# Altium PCB Minion_Rev2.PcbDoc (part 6 of 11) (continued)
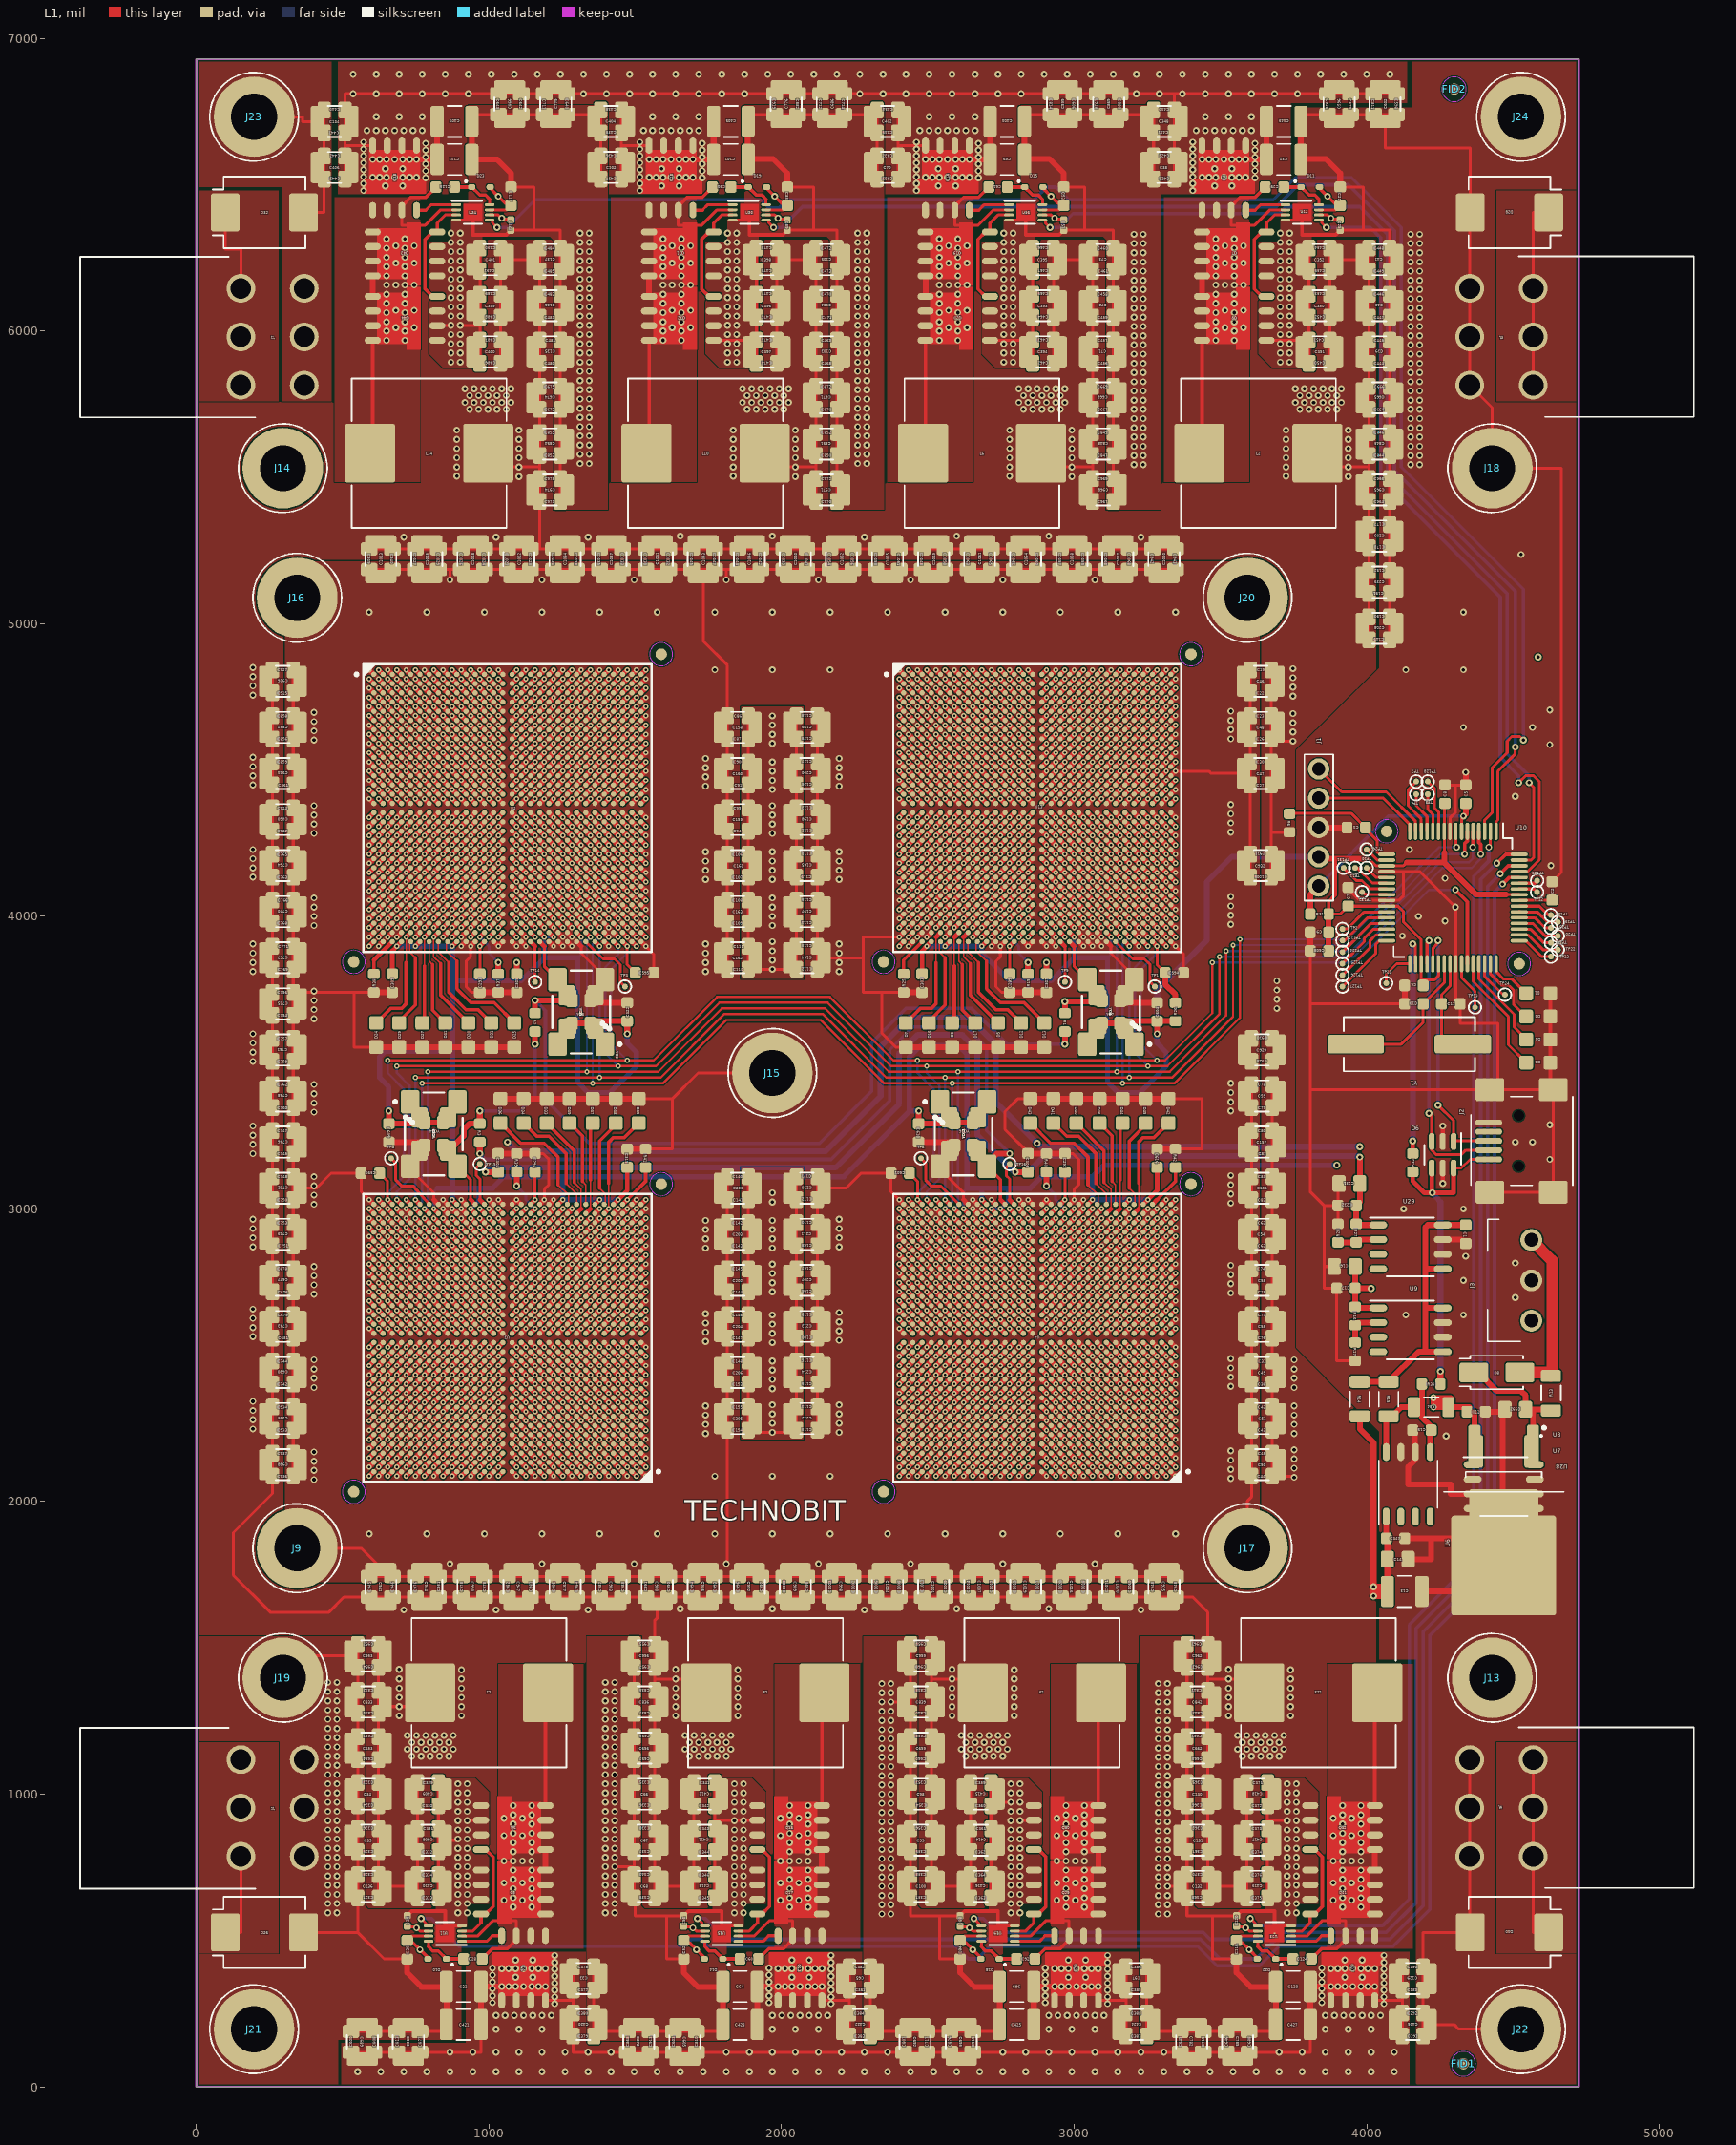
[diagram p0: L1 view]
## Nets (pads, with @x,y where several pads share a name; then routed paths per layer and width w, separated by ;. In a path a pad name is that pad's centre, name@x,y a point inside that pad or via, vN(x,y) a via of type N, cw(c..) or ccw(c..) an arc to the next point about the centre after c; other vN are vias at no path point) (continued)
; U13.J24@3141.73,4574.8 v1(3157.48,4590.55) ; U13.G24@3141.73,4637.8 v1(3157.48,4653.54) ; U13.E24@3141.73,4700.79 v1(3157.48,4716.54) ; U13.C24@3141.73,4763.78 v1(3157.48,4779.53) ; U13.A24@3141.73,4826.77 v1(3157.48,4842.52) ; U4.A6@3173.23,2102.36 v1(3188.98,2086.61) ; U4.C6@3173.23,2165.35 v1(3188.98,2149.61) ; U4.E6@3173.23,2228.35 v1(3188.98,2212.6) ; U4.G6@3173.23,2291.34 v1(3188.98,2275.59) ; U4.J6@3173.23,2354.33 v1(3188.98,2338.58) ; U4.L6@3173.23,2417.32 v1(3188.98,2401.57) ; U4.N6@3173.23,2480.31 v1(3188.98,2464.57) ; U4.R6@3173.23,2543.31 v1(3188.98,2527.56) ; U4.U6@3173.23,2606.3 v1(3188.98,2622.05) ; U4.W6@3173.23,2669.29 v1(3188.98,2685.04) ; U4.AA6@3173.23,2732.28 v1(3188.98,2748.03) ; U4.AC6@3173.23,2795.28 v1(3188.98,2811.02) ; U4.AE6@3173.23,2858.27 v1(3188.98,2874.02) ; U4.AG6@3173.23,2921.26 v1(3188.98,2937.01) ; U13.AH25@3173.23,3976.38 v1(3188.98,3960.63) ; U13.AF25@3173.23,4039.37 v1(3188.98,4023.62) ; U13.AD25@3173.23,4102.36 v1(3188.98,4086.61) ; U13.AB25@3173.23,4165.35 v1(3188.98,4149.61) ; U13.Y25@3173.23,4228.35 v1(3188.98,4212.6) ; U13.V25@3173.23,4291.34 v1(3188.98,4275.59) ; U13.T25@3173.23,4354.33 v1(3188.98,4338.58) ; U13.P25@3173.23,4417.32 v1(3188.98,4433.07) ; U13.M25@3173.23,4480.31 v1(3188.98,4496.06) ; U13.K25@3173.23,4543.31 v1(3188.98,4559.06) ; U13.H25@3173.23,4606.3 v1(3188.98,4622.05) ; U13.F25@3173.23,4669.29 v1(3188.98,4685.04) ; U13.D25@3173.23,4732.28 v1(3188.98,4748.03) ; U13.B25@3173.23,4795.28 v1(3188.98,4811.02) ; U4.B5@3204.72,2133.86 v1(3220.47,2118.11) ; U4.D5@3204.72,2196.85 v1(3220.47,2181.1) ; U4.F5@3204.72,2259.84 v1(3220.47,2244.09) ; U4.H5@3204.72,2322.83 v1(3220.47,2307.09) ; U4.K5@3204.72,2385.83 v1(3220.47,2370.08) ; U4.M5@3204.72,2448.82 v1(3220.47,2433.07) ; U4.P5@3204.72,2511.81 v1(3220.47,2496.06) ; U4.T5@3204.72,2574.8 v1(3220.47,2590.55) ; U4.V5@3204.72,2637.8 v1(3220.47,2653.54) ; U4.Y5@3204.72,2700.79 v1(3220.47,2716.54) ; U4.AB5@3204.72,2763.78 v1(3220.47,2779.53) ; U4.AD5@3204.72,2826.77 v1(3220.47,2842.52) ; U4.AF5@3204.72,2889.76 v1(3220.47,2905.51) ; U4.AH5@3204.72,2952.76 v1(3220.47,2968.5) ; U13.AK26@3204.72,3913.39 v1(3220.47,3897.64) ; U13.AG26@3204.72,4007.87 v1(3220.47,3992.13) ; U13.AE26@3204.72,4070.87 v1(3220.47,4055.12) ; U13.AC26@3204.72,4133.86 v1(3220.47,4118.11) ; U13.AA26@3204.72,4196.85 v1(3220.47,4181.1) ; U13.W26@3204.72,4259.84 v1(3220.47,4244.09) ; U13.U26@3204.72,4322.83 v1(3220.47,4307.09) ; U13.R26@3204.72,4385.83 v1(3220.47,4401.57) ; U13.N26@3204.72,4448.82 v1(3220.47,4464.57) ; U13.L26@3204.72,4511.81 v1(3220.47,4527.56) ; U13.J26@3204.72,4574.8 v1(3220.47,4590.55) ; U13.G26@3204.72,4637.8 v1(3220.47,4653.54) ; U13.E26@3204.72,4700.79 v1(3220.47,4716.54) ; U13.C26@3204.72,4763.78 v1(3220.47,4779.53) ; U13.A26@3204.72,4826.77 v1(3220.47,4842.52) ; U4.A4@3236.22,2102.36 v1(3251.97,2086.61) ; U4.C4@3236.22,2165.35 v1(3251.97,2149.61) ; U4.E4@3236.22,2228.35 v1(3251.97,2212.6) ; U4.G4@3236.22,2291.34 v1(3251.97,2275.59) ; U4.J4@3236.22,2354.33 v1(3251.97,2338.58) ; U4.L4@3236.22,2417.32 v1(3251.97,2401.57) ; U4.N4@3236.22,2480.31 v1(3251.97,2464.57) ; U4.R4@3236.22,2543.31 v1(3251.97,2527.56) ; U4.U4@3236.22,2606.3 v1(3251.97,2622.05) ; U4.W4@3236.22,2669.29 v1(3251.97,2685.04) ; U4.AA4@3236.22,2732.28 v1(3251.97,2748.03) ; U4.AC4@3236.22,2795.28 v1(3251.97,2811.02) ; U4.AE4@3236.22,2858.27 v1(3251.97,2874.02) ; U4.AG4@3236.22,2921.26 v1(3251.97,2937.01) ; U13.AH27@3236.22,3976.38 v1(3251.97,3960.63) ; U13.AF27@3236.22,4039.37 v1(3251.97,4023.62) ; U13.AD27@3236.22,4102.36 v1(3251.97,4086.61) ; U13.AB27@3236.22,4165.35 v1(3251.97,4149.61) ; U13.Y27@3236.22,4228.35 v1(3251.97,4212.6) ; U13.V27@3236.22,4291.34 v1(3251.97,4275.59) ; U13.T27@3236.22,4354.33 v1(3251.97,4338.58) ; U13.P27@3236.22,4417.32 v1(3251.97,4433.07) ; U13.M27@3236.22,4480.31 v1(3251.97,4496.06) ; U13.K27@3236.22,4543.31 v1(3251.97,4559.06) ; U13.H27@3236.22,4606.3 v1(3251.97,4622.05) ; U13.F27@3236.22,4669.29 v1(3251.97,4685.04) ; U13.D27@3236.22,4732.28 v1(3251.97,4748.03) ; U13.B27@3236.22,4795.28 v1(3251.97,4811.02) ; U4.B3@3267.72,2133.86 v1(3283.46,2118.11) ; U4.D3@3267.72,2196.85 v1(3283.46,2181.1) ; U4.F3@3267.72,2259.84 v1(3283.46,2244.09) ; U4.H3@3267.72,2322.83 v1(3283.46,2307.09) ; U4.K3@3267.72,2385.83 v1(3283.46,2370.08) ; U4.M3@3267.72,2448.82 v1(3283.46,2433.07) ; U4.P3@3267.72,2511.81 v1(3283.46,2496.06) ; U4.T3@3267.72,2574.8 v1(3283.46,2590.55) ; U4.V3@3267.72,2637.8 v1(3283.46,2653.54) ; U4.Y3@3267.72,2700.79 v1(3283.46,2716.54) ; U4.AB3@3267.72,2763.78 v1(3283.46,2779.53) ; U4.AD3@3267.72,2826.77 v1(3283.46,2842.52) ; U4.AF3@3267.72,2889.76 v1(3283.46,2905.51) ; U4.AH3@3267.72,2952.76 v1(3283.46,2968.5) ; U13.AJ28@3267.72,3944.88 v1(3283.46,3929.13) ; U13.AG28@3267.72,4007.87 v1(3283.46,3992.13) ; U13.AE28@3267.72,4070.87 v1(3283.46,4055.12) ; U13.AC28@3267.72,4133.86 v1(3283.46,4118.11) ; U13.AA28@3267.72,4196.85 v1(3283.46,4181.1) ; U13.W28@3267.72,4259.84 v1(3283.46,4244.09) ; U13.U28@3267.72,4322.83 v1(3283.46,4307.09) ; U13.R28@3267.72,4385.83 v1(3283.46,4401.57) ; U13.N28@3267.72,4448.82 v1(3283.46,4464.57) ; U13.L28@3267.72,4511.81 v1(3283.46,4527.56) ; U13.J28@3267.72,4574.8 v1(3283.46,4590.55) ; U13.G28@3267.72,4637.8 v1(3283.46,4653.54) ; U13.E28@3267.72,4700.79 v1(3283.46,4716.54) ; U13.C28@3267.72,4763.78 v1(3283.46,4779.53) ; U13.A28@3267.72,4826.77 v1(3283.46,4842.52) ; U4.A2@3299.21,2102.36 v1(3314.96,2086.61) ; U4.C2@3299.21,2165.35 v1(3314.96,2149.61) ; U4.E2@3299.21,2228.35 v1(3314.96,2212.6) ; U4.G2@3299.21,2291.34 v1(3314.96,2275.59) ; U4.J2@3299.21,2354.33 v1(3314.96,2338.58) ; U4.L2@3299.21,2417.32 v1(3314.96,2401.57) ; U4.N2@3299.21,2480.31 v1(3314.96,2464.57) ; U4.R2@3299.21,2543.31 v1(3314.96,2527.56) ; U4.U2@3299.21,2606.3 v1(3314.96,2622.05) ; U4.W2@3299.21,2669.29 v1(3314.96,2685.04) ; U4.AA2@3299.21,2732.28 v1(3314.96,2748.03) ; U4.AC2@3299.21,2795.28 v1(3314.96,2811.02) ; U4.AE2@3299.21,2858.27 v1(3314.96,2874.02) ; U4.AG2@3299.21,2921.26 v1(3314.96,2937.01) ; U4.AJ2@3299.21,2984.25 v1(3314.96,3000) ; U13.AK29@3299.21,3913.39 v1(3314.96,3897.64) ; U13.AH29@3299.21,3976.38 v1(3314.96,3960.63) ; U13.AF29@3299.21,4039.37 v1(3314.96,4023.62) ; U13.AD29@3299.21,4102.36 v1(3314.96,4086.61) ; U13.AB29@3299.21,4165.35 v1(3314.96,4149.61) ; U13.Y29@3299.21,4228.35 v1(3314.96,4212.6) ; U13.V29@3299.21,4291.34 v1(3314.96,4275.59) ; U13.T29@3299.21,4354.33 v1(3314.96,4338.58) ; U13.P29@3299.21,4417.32 v1(3314.96,4433.07) ; U13.M29@3299.21,4480.31 v1(3314.96,4496.06) ; U13.K29@3299.21,4543.31 v1(3314.96,4559.06) ; U13.H29@3299.21,4606.3 v1(3314.96,4622.05) ; U13.F29@3299.21,4669.29 v1(3314.96,4685.04) ; U13.D29@3299.21,4732.28 v1(3314.96,4748.03) ; U13.B29@3299.21,4795.28 v1(3314.96,4811.02) ; U4.B1@3330.71,2133.86 v1(3346.46,2118.11) ; U4.D1@3330.71,2196.85 v1(3346.46,2181.1) ; U4.F1@3330.71,2259.84 v1(3346.46,2244.09) ; U4.H1@3330.71,2322.83 v1(3346.46,2307.09) ; U4.K1@3330.71,2385.83 v1(3346.46,2370.08) ; U4.M1@3330.71,2448.82 v1(3346.46,2433.07) ; U4.P1@3330.71,2511.81 v1(3346.46,2496.06) ; U4.T1@3330.71,2574.8 v1(3346.46,2590.55) ; U4.V1@3330.71,2637.8 v1(3346.46,2653.54) ; U4.Y1@3330.71,2700.79 v1(3346.46,2716.54) ; U4.AB1@3330.71,2763.78 v1(3346.46,2779.53) ; U4.AD1@3330.71,2826.77 v1(3346.46,2842.52) ; U4.AF1@3330.71,2889.76 v1(3346.46,2905.51) ; U4.AH1@3330.71,2952.76 v1(3346.46,2968.5) ; U4.AK1@3330.71,3015.75 v1(3346.46,3031.5) ; U13.AJ30@3330.71,3944.88 v1(3346.46,3929.13) ; U13.AG30@3330.71,4007.87 v1(3346.46,3992.13) ; U13.AE30@3330.71,4070.87 v1(3346.46,4055.12) ; U13.AC30@3330.71,4133.86 v1(3346.46,4118.11) ; U13.AA30@3330.71,4196.85 v1(3346.46,4181.1) ; U13.W30@3330.71,4259.84 v1(3346.46,4244.09) ; U13.U30@3330.71,4322.83 v1(3346.46,4307.09) ; U13.R30@3330.71,4385.83 v1(3346.46,4401.57) ; U13.N30@3330.71,4448.82 v1(3346.46,4464.57) ; U13.L30@3330.71,4511.81 v1(3346.46,4527.56) ; U13.J30@3330.71,4574.8 v1(3346.46,4590.55) ; U13.G30@3330.71,4637.8 v1(3346.46,4653.54) ; U13.E30@3330.71,4700.79 v1(3346.46,4716.54) ; U13.C30@3330.71,4763.78 v1(3346.46,4779.53) ; U13.A30@3330.71,4826.77 v1(3346.46,4842.52)
  other v2: 736.22,1129.92 767.72,1129.92 799.21,1129.92 830.71,1129.92 862.2,1129.92 1685.04,1129.92 1716.54,1129.92 1748.03,1129.92 1779.53,1129.92 1811.02,1129.92 2629.92,1129.92 2661.42,1129.92 2692.91,1129.92 2724.41,1129.92 2755.91,1129.92 3574.8,1129.92 3606.3,1129.92 3637.8,1129.92 3669.29,1129.92 3700.79,1129.92 720.47,1153.54 751.97,1153.54 783.46,1153.54 814.96,1153.54 846.46,1153.54 877.95,1153.54 1669.29,1153.54 1700.79,1153.54 1732.28,1153.54 1763.78,1153.54 1795.28,1153.54 1826.77,1153.54 2614.17,1153.54 2645.67,1153.54 2677.17,1153.54 2708.66,1153.54 2740.16,1153.54 2771.65,1153.54 3559.06,1153.54 3590.55,1153.54 3622.05,1153.54 3653.54,1153.54 3685.04,1153.54 3716.54,1153.54 736.22,1177.17 767.72,1177.17 799.21,1177.17 830.71,1177.17 862.2,1177.17 1685.04,1177.17 1716.54,1177.17 1748.03,1177.17 1779.53,1177.17 1811.02,1177.17 2629.92,1177.17 2661.42,1177.17 2692.91,1177.17 2724.41,1177.17 2755.91,1177.17 3574.8,1177.17 3606.3,1177.17 3637.8,1177.17 3669.29,1177.17 3700.79,1177.17 720.47,1200.79 751.97,1200.79 783.46,1200.79 814.96,1200.79 846.46,1200.79 877.95,1200.79 1669.29,1200.79 1700.79,1200.79 1732.28,1200.79 1763.78,1200.79 1795.28,1200.79 1826.77,1200.79 2614.17,1200.79 2645.67,1200.79 2677.17,1200.79 2708.66,1200.79 2740.16,1200.79 2771.65,1200.79 3559.06,1200.79 3590.55,1200.79 3622.05,1200.79 3653.54,1200.79 3685.04,1200.79 3716.54,1200.79 692.91,1267.72 905.51,1267.72 1637.8,1267.72 1850.39,1267.72 2582.68,1267.72 2795.28,1267.72 3527.56,1267.72 3740.16,1267.72 905.51,1299.21 1637.8,1299.21 1850.39,1299.21 2582.68,1299.21 2795.28,1299.21 3527.56,1299.21 3740.16,1299.21 692.91,1330.71 905.51,1330.71 1637.8,1330.71 1850.39,1330.71 2582.68,1330.71 2795.28,1330.71 3527.56,1330.71 3740.16,1330.71 692.91,1362.2 905.51,1362.2 1637.8,1362.2 1850.39,1362.2 2582.68,1362.2 2795.28,1362.2 3527.56,1362.2 3740.16,1362.2 692.91,1393.7 905.51,1393.7 1850.39,1393.7 2795.28,1393.7 3740.16,1393.7 905.51,1425.2 1850.39,1425.2 2795.28,1425.2 3740.16,1425.2 692.91,1426.18 1637.8,1426.18 2582.68,1426.18 3527.56,1426.18 708.66,1629.92 1023.62,1629.92 1338.58,1629.92 2283.46,1629.92 3228.35,1629.92 1653.54,1633.86 1968.5,1633.86 2598.43,1633.86 2913.39,1633.86 3751.97,2114.17 3751.97,2145.67 3751.97,2177.17 3751.97,2232.28 192.91,2248.03 3751.97,2263.78 1968.5,2267.72 192.91,2279.53 3751.97,2295.28 1968.5,2299.21 192.91,2311.02 3751.97,2326.77 1968.5,2330.71 192.91,2342.52 1968.5,2385.83 3751.97,2389.76 1968.5,2417.32 3751.97,2421.26 1968.5,2448.82 3751.97,2452.76 1968.5,2480.32 3751.97,2484.25 1968.5,2543.31 192.91,2562.99 1968.5,2574.8 192.91,2594.49 1968.5,2606.3 192.91,2625.98 1968.5,2637.8 192.91,2657.48 1968.5,2716.54 1968.5,2748.03 1968.5,2779.53 1968.5,2811.02 1968.5,2866.14 192.91,2870.08 1968.5,2897.64 192.91,2901.57 1968.5,2929.13 192.91,2933.07 1968.5,2960.63 192.91,2964.57 1968.5,3023.62 1968.5,3055.12 192.91,3188.98 192.91,3220.47 192.91,3251.97 192.91,3283.46 192.91,3503.94 192.91,3535.43 192.91,3566.93 192.91,3598.43 3692.91,3685.04 3692.91,3716.54 3692.91,3748.03 3692.91,3779.53 192.91,3811.02 192.91,3842.52 1968.5,3850.39 192.91,3874.02 1968.5,3881.89 192.91,3905.51 1968.5,3913.39 1968.5,3968.5 1968.5,4000 1968.5,4031.5 1968.5,4062.99 1968.5,4125.98 192.91,4133.86 1968.5,4157.48 192.91,4165.35 1968.5,4188.98 192.91,4196.85 1968.5,4220.47 192.91,4228.35 1968.5,4283.46 1968.5,4314.96 1968.5,4346.46 1968.5,4377.95 1968.5,4433.07 192.91,4448.82 1968.5,4464.57 192.91,4480.32 1968.5,4496.06 192.91,4511.81 1968.5,4527.56 192.91,4543.31 1968.5,4590.55 1968.5,4622.05 3748.03,4629.92 1968.5,4653.54 3748.03,4661.42 1968.5,4685.04 3748.03,4692.91 3748.03,4751.97 192.91,4755.91 3748.03,4783.46 192.91,4787.4 3748.03,4814.96 192.91,4818.9 3748.03,4846.46 192.91,4850.39 708.66,5295.28 1023.62,5295.28 1338.58,5295.28 2283.46,5295.28 3228.35,5295.28 1653.54,5299.21 1968.5,5299.21 2598.43,5299.21 2913.39,5299.21 1102.36,5502.95 2047.24,5502.95 2992.13,5502.95 3937.01,5502.95 889.76,5503.94 1834.65,5503.94 2779.53,5503.94 3724.41,5503.94 889.76,5535.43 1834.65,5535.43 2779.53,5535.43 3724.41,5535.43 889.76,5566.93 1102.36,5566.93 1834.65,5566.93 2047.24,5566.93 2779.53,5566.93 2992.13,5566.93 3724.41,5566.93 3937.01,5566.93 889.76,5598.43 1102.36,5598.43 1834.65,5598.43 2047.24,5598.43 2779.53,5598.43 2992.13,5598.43 3724.41,5598.43 3937.01,5598.43 889.76,5629.92 1102.36,5629.92 1834.65,5629.92 2047.24,5629.92 2779.53,5629.92 2992.13,5629.92 3724.41,5629.92 3937.01,5629.92 889.76,5661.42 1102.36,5661.42 1834.65,5661.42 2047.24,5661.42 2779.53,5661.42 2992.13,5661.42 3724.41,5661.42 3937.01,5661.42 933.07,5732.28 964.57,5732.28 996.06,5732.28 1027.56,5732.28 1059.06,5732.28 1881.89,5732.28 1913.39,5732.28 1944.88,5732.28 1976.38,5732.28 2007.87,5732.28 2826.77,5732.28 2858.27,5732.28 2889.76,5732.28 2921.26,5732.28 2952.76,5732.28 3771.65,5732.28 3803.15,5732.28 3834.65,5732.28 3866.14,5732.28 3897.64,5732.28 917.32,5755.91 948.82,5755.91 980.31,5755.91 1011.81,5755.91 1043.31,5755.91 1074.8,5755.91 1866.14,5755.91 1897.64,5755.91 1929.13,5755.91 1960.63,5755.91 1992.13,5755.91 2023.62,5755.91 2811.02,5755.91 2842.52,5755.91 2874.02,5755.91 2905.51,5755.91 2937.01,5755.91 2968.5,5755.91 3755.91,5755.91 3787.4,5755.91 3818.9,5755.91 3850.39,5755.91 3881.89,5755.91 3913.39,5755.91 933.07,5779.53 964.57,5779.53 996.06,5779.53 1027.56,5779.53 1059.06,5779.53 1881.89,5779.53 1913.39,5779.53 1944.88,5779.53 1976.38,5779.53 2007.87,5779.53 2826.77,5779.53 2858.27,5779.53 2889.76,5779.53 2921.26,5779.53 2952.76,5779.53 3771.65,5779.53 3803.15,5779.53 3834.65,5779.53 3866.14,5779.53 3897.64,5779.53 917.32,5803.15 948.82,5803.15 980.31,5803.15 1011.81,5803.15 1043.31,5803.15 1074.8,5803.15 1866.14,5803.15 1897.64,5803.15 1929.13,5803.15 1960.63,5803.15 1992.13,5803.15 2023.62,5803.15 2811.02,5803.15 2842.52,5803.15 2874.02,5803.15 2905.51,5803.15 2937.01,5803.15 2968.5,5803.15 3755.91,5803.15 3787.4,5803.15 3818.9,5803.15 3850.39,5803.15 3881.89,5803.15 3913.39,5803.15
3.3V: C6.1 C7.1 C8.1 C9.1 C13.2 C14.1 C24.1 C25.1 C56.1 C57.1 C88.1 C89.1 C120.1 C121.1 C303.2 C309.2 C315.2 C322.1 C347.1 C604.1 C608.1 C609.1 C610.1 C616.2 J1.2 R14.2 R26.1 R31.2 U2.AJ19 U2.AJ20 U2.AJ23 U2.AK4 U2.AK6 U2.AK10 U3.AJ19 U3.AJ23 U3.AK4 U3.AK6 U3.AK10 U3.AK21 U4.AJ19 U4.AJ20 U4.AJ23 U4.AK4 U4.AK6 U4.AK10 U4.AK21 U6.1 U10.10 U10.19 U10.26 U10.35 U10.38 U10.57 U11.6 U12.6 U13.AJ19 U13.AJ23 U13.AK4 U13.AK6 U13.AK10 U15.6 U16.6 U19.6 U20.6 U23.6 U24.6 YO1.1 YO1.4 YO2.1 YO2.4 YO3.1 YO3.4 YO4.1 YO4.4 YO5.1 YO5.4 YO6.1 YO6.4 YO7.1 YO7.4 YO8.1 YO8.4 YO9.1 YO9.4 YO10.1 YO10.4 YO11.1 YO11.4 YO12.1 YO12.4 YO13.1 YO13.4 YO14.1 YO14.4 YO15.1 YO15.4 YO16.1 YO16.4 | length 29506.7
  L1 w9.84: C24.1@720.47,549.21 722.44,547.24 749.02,547.24 755.91,540.35 v2(751.97,543.31) 756.4,539.86 763.78,532.48 U11.6@793.31,532.48 ; U24.6@1001.97,6396.65 1031.5,6396.65 1038.88,6389.27 v2(1043.31,6385.83) 1039.37,6388.78 1046.26,6381.89 1072.83,6381.89 C121.1@1074.8,6379.92 ; C56.1@1665.35,549.21 1667.32,547.24 1693.9,547.24 1700.79,540.35 v2(1696.85,543.31) 1701.28,539.86 1708.66,532.48 U15.6@1738.19,532.48 ; U20.6@1946.85,6396.65 1976.38,6396.65 1983.76,6389.27 v2(1988.19,6385.83) 1984.25,6388.78 1987.7,6385.33 1991.14,6381.89 2017.72,6381.89 C89.1@2019.68,6379.92 ; C88.1@2610.24,549.21 2612.2,547.24 2638.78,547.24 2645.67,540.35 v2(2641.73,543.31) 2646.16,539.86 2653.54,532.48 U19.6@2683.07,532.48 ; U16.6@2891.73,6396.65 2921.26,6396.65 2928.64,6389.27 v2(2933.07,6385.83) 2929.13,6388.78 2932.58,6385.33 2936.02,6381.89 2962.6,6381.89 C57.1@2964.57,6379.92 ; C120.1@3555.12,549.21 3557.09,547.24 3583.66,547.24 3590.55,540.35 v2(3586.61,543.31) 3591.04,539.86 3598.43,532.48 U23.6@3627.95,532.48 ; U12.6@3836.61,6396.65 3866.14,6396.65 3873.52,6389.27 v2(3877.95,6385.83) 3874.02,6388.78 3877.46,6385.33 3880.91,6381.89 3907.48,6381.89 C25.1@3909.45,6379.92 ; R31.2@3870.08,4007.87 3909.45,4007.87 C7.1@3937.01,4035.43 3937.8,4034.64 U10.26@4068.47,4034.64 4107.09,4034.64 4125.98,4015.75 4125.98,3980.32 4186.58,3919.72 U10.35@4186.58,3837.79 4186.58,3783.46 ; 3988.19,4197.07 4007.08,4197.07 4031.72,4172.44 U10.19@4068.47,4172.44 4068.47,4173.23 4125.98,4173.23 4137,4184.25 4137.8,4184.25 ; C6.1@4192.91,3763.78 4186.58,3763.78 4186.58,3783.46 ; U10.38@4245.64,3837.79 4245.64,3796.82 4232.28,3783.46 4186.58,3783.46 ; 4259.84,4184.25 4260.63,4185.04 4265.32,4185.04 4265.32,4184.25 4263.78,4184.25 ; 4265.32,4216.54 U10.10@4265.32,4290.55 4265.32,4385.83 C8.1@4267.72,4385.83 ; 4476.38,4074.01 U10.57@4521.23,4074.01
  L1 w11.81: R31.2@3870.08,4007.87 3870.08,4051.18 3893.7,4074.8 3893.7,4196.85
  L1 w15.75: C309.2@669.29,3803.15 669.29,3881.89 v1(685.04,3897.64) U2.AK4@700.79,3913.39 ; v1(748.03,3897.64) U2.AK6@763.78,3913.39 ; v1(811.02,3000) U3.AJ23@826.77,2984.25 ; v1(874.02,3031.5) U3.AK21@889.76,3015.75 ; v1(874.02,3897.64) U2.AK10@889.76,3913.39 ; v1(937.01,3000) U3.AJ19@952.76,2984.25 ; U2.AJ19@1173.23,3944.88 v1(1188.98,3929.13) ; U2.AJ20@1204.72,3944.88 v1(1220.47,3929.13) ; U3.AK10@1236.22,3015.75 v1(1251.97,3031.5) ; U2.AJ23@1299.21,3944.88 v1(1314.96,3929.13) ; U3.AK6@1362.2,3015.75 v1(1377.95,3031.5) ; U3.AK4@1425.2,3015.75 v1(1440.94,3031.5) 1472.44,3062.99 C315.2@1472.44,3141.73 ; C303.2@2480.31,3803.15 2480.31,3881.89 v1(2496.06,3897.64) U13.AK4@2511.81,3913.39 ; v1(2559.06,3897.64) U13.AK6@2574.8,3913.39 ; v1(2622.05,3000) U4.AJ23@2637.8,2984.25 ; v1(2685.04,3031.5) U4.AK21@2700.79,3015.75 ; v1(2685.04,3897.64) U13.AK10@2700.79,3913.39 ; v1(2716.54,3000) U4.AJ20@2732.28,2984.25 ; v1(2748.03,3000) U4.AJ19@2763.78,2984.25 ; U13.AJ19@2984.25,3944.88 v1(3000,3929.13) ; U4.AK10@3047.24,3015.75 v1(3062.99,3031.5) ; U13.AJ23@3110.24,3944.88 v1(3125.98,3929.13) ; U4.AK6@3173.23,3015.75 v1(3188.98,3031.5) ; U4.AK4@3236.22,3015.75 v1(3251.97,3031.5) 3283.46,3062.99 C616.2@3283.46,3141.73
  L1 w19.68: v2(657.48,3334.65) C609.1@657.48,3291.34 779.53,3291.34 YO9.1@779.53,3295.28 ; YO14.1@730.31,3366.14 761.81,3334.65 YO13.1@761.81,3314.96 ; YO13.1@761.81,3312.99 YO13.1@761.81,3314.96 ; YO13.4@860.24,3312.99 YO13.4@860.24,3314.96 ; YO14.4@891.73,3366.14 860.24,3334.65 YO13.4@860.24,3314.96 ; YO8.4@1234.25,3562.99 1266.73,3595.47 YO3.4@1266.73,3617.13 ; YO3.4@1265.75,3616.14 YO3.4@1266.73,3617.13 ; YO8.1@1395.67,3562.99 1366.14,3592.52 1366.14,3614.17 YO3.1@1364.17,3616.14 1356.3,3624.02 YO2.1@1354.33,3624.02 1346.46,3631.89 YO1.1@1346.46,3633.86 ; v2(1472.44,3598.43) C322.1@1472.44,3641.73 1346.46,3641.73 YO1.1@1346.46,3633.86 ; v2(2468.5,3334.65) C610.1@2468.5,3291.34 2590.55,3291.34 YO11.1@2590.55,3295.28 ; YO16.1@2541.34,3366.14 2572.83,3334.65 YO15.1@2572.83,3312.99 YO15.1@2580.71,3305.12 ; YO12.1@2582.68,3305.12 YO15.1@2580.71,3305.12 ; YO12.4@2661.42,3305.12 YO15.4@2663.39,3305.12 ; YO16.4@2702.76,3366.14 2702.76,3344.49 YO15.4@2671.26,3312.99 YO15.4@2663.39,3305.12 ; YO7.4@3045.28,3562.99 3045.28,3584.65 YO6.4@3075.79,3615.16 ; YO5.4@3086.61,3624.02 YO6.4@3084.65,3624.02 ; YO5.1@3165.35,3624.02 3173.23,3616.14 YO6.1@3175.2,3616.14 ; YO7.1@3206.69,3562.99 3177.17,3592.52 3177.17,3614.17 YO6.1@3175.2,3616.14 ; v2(3283.46,3598.43) C604.1@3283.46,3641.73 ; R26.1@3346.46,3641.73 C604.1@3283.46,3641.73 ; J1.2@3836.07,4203.53 3836.07,4196.85 3893.7,4196.85 3988.19,4196.85 3988.19,4197.07 ; C608.1@3870.08,3881.89 R31.2@3870.08,4007.87 ; R14.2@3976.38,2291.34 3976.38,2248.03 4023.62,2200.79 v2(4023.62,1708.66) ; U6.1@4066.73,1948.82 4066.73,1874.21 C347.1@4066.93,1874.02 4070.87,1870.08 C14.1@4070.87,1803.15 C13.2@4070.87,1708.66 ; 4137.8,4184.25 4259.84,4184.25 ; 4263.78,4184.25 4374.02,4074.01 4476.38,4074.01 ; 4265.32,4185.04 4265.32,4216.54 ; YO13.1@761.81,3314.96 YO10.1@771.65,3305.12 779.53,3297.24 YO9.1@779.53,3295.28 ; YO9.1@779.53,3295.28 YO9.4@842.52,3295.28 842.52,3297.24 YO10.4@850.39,3305.12 YO13.4@860.24,3314.96 ; YO3.4@1266.73,3617.13 1273.62,3624.02 YO2.4@1275.59,3624.02 1283.46,3631.89 YO1.4@1283.46,3633.86 YO1.1@1346.46,3633.86 ; YO15.1@2580.71,3305.12 2581.69,3304.13 YO11.1@2590.55,3295.28 ; YO11.1@2590.55,3295.28 YO11.4@2653.54,3295.28 YO15.4@2663.39,3305.12 ; YO6.4@3075.79,3615.16 YO6.4@3084.65,3624.02 ; YO6.4@3075.79,3615.16 YO6.4@3076.77,3616.14 YO6.4@3084.65,3624.02 ; YO6.4@3084.65,3624.02 YO4.4@3094.49,3633.86 YO4.1@3157.48,3633.86 ; YO4.1@3157.48,3633.86 3166.34,3625 YO6.1@3175.2,3616.14 ; YO4.1@3157.48,3633.86 3165.35,3641.73 C604.1@3283.46,3641.73 ; 4023.62,1692.91 C13.2@4070.87,1692.91 ; 4023.62,1692.91 v2(4023.62,1708.66) ; 4023.62,1692.91 v2(4023.62,1677.17) 4070.87,1677.17 C13.2@4070.87,1692.91 ; v2(4023.62,1708.66) C13.2@4070.87,1708.66 ; C13.2@4070.87,1692.91 C13.2@4070.87,1708.66
  L3 w19.68: v2(751.97,543.31) v2(1696.85,543.31) v2(2641.73,543.31) v2(3586.61,543.31) 4035.43,543.31 4055.12,562.99 4055.12,1677.17 ; v2(1043.31,6385.83) v2(1988.19,6385.83) v2(2933.07,6385.83) v2(3877.95,6385.83) 4035.43,6385.83 4055.12,6366.14 4055.12,4203.53 ; J1.2@3836.07,4203.53 4055.12,4203.53 ; v2(3897.64,3149.61) 4055.12,3149.61 ; v2(4023.62,1677.17) 4055.12,1677.17 ; v2(4023.62,1708.66) 4055.12,1708.66 ; 4055.12,1677.17 4055.12,1708.66 ; 4055.12,1708.66 4055.12,3149.61 ; 4055.12,3149.61 4055.12,4203.53
  L4 w9.84: v1(811.02,3000) 811.02,3059.06 822.83,3070.87 ; v1(1188.98,3929.13) v1(1220.47,3929.13) ; 1303.15,3858.27 1314.96,3870.08 v1(1314.96,3929.13) ; v1(2622.05,3000) 2622.05,3059.06 2633.86,3070.87 ; 3114.17,3858.27 3125.98,3870.08 v1(3125.98,3929.13)
  L4 w11.81: v1(937.01,3000) 964.57,3027.56 ; 1188.98,3901.57 v1(1188.98,3929.13) ; v1(2716.54,3000) v1(2748.03,3000) 2775.59,3027.56 ; 3000,3901.57 v1(3000,3929.13)
  L4 w17.72: v2(657.48,3334.65) 657.48,3417.32 625.98,3448.82 625.98,3519.69 645.67,3539.37 874.02,3539.37 ; 822.83,3070.87 874.02,3070.87 964.57,3070.87 ; 874.02,3779.53 1110.24,3779.53 1188.98,3858.27 ; 964.57,3027.56 964.57,3070.87 ; 1188.98,3901.57 1188.98,3858.27 ; v1(1440.94,3031.5) v1(1377.95,3031.5) v1(1251.97,3031.5) 1251.97,3110.24 ; v2(1472.44,3598.43) 1472.44,3566.93 1503.94,3535.43 1503.94,3488.19 1413.39,3397.64 1338.58,3397.64 1303.15,3433.07 1303.15,3858.27 1188.98,3858.27 ; v2(2468.5,3334.65) 2437.01,3334.65 ; v1(2496.06,3897.64) v1(2559.06,3897.64) v1(2685.04,3897.64) 2685.04,3874.02 2779.53,3779.53 2921.26,3779.53 3000,3858.27 ; v1(2685.04,3031.5) 2685.04,3070.87 ; 2775.59,3027.56 2775.59,3070.87 ; 3000,3901.57 3000,3858.27 ; v1(3251.97,3031.5) v1(3188.98,3031.5) v1(3062.99,3031.5) 3062.99,3110.24 ; v2(3283.46,3598.43) 3283.46,3566.93 3314.96,3535.43 3314.96,3488.19 3224.41,3397.64 3149.61,3397.64 3114.17,3433.07 3114.17,3858.27 3000,3858.27 ; v2(3897.64,3149.61) 3102.36,3149.61 3062.99,3110.24 ; 964.57,3070.87 1011.81,3070.87 1051.18,3110.24 1251.97,3110.24 ; 1251.97,3110.24 2212.6,3110.24 2437.01,3334.65 ; 2437.01,3334.65 2437.01,3519.69 2476.38,3559.06 2602.36,3559.06 2633.86,3527.56 2633.86,3070.87 2685.04,3070.87 ; 2685.04,3070.87 2775.59,3070.87 ; 2775.59,3070.87 2850.39,3070.87 2889.76,3110.24 3062.99,3110.24
  L4 w17.91: v1(685.04,3897.64) v1(748.03,3897.64) v1(874.02,3897.64)
  L4 w19.68: v1(874.02,3031.5) 874.02,3070.87 874.02,3539.37 874.02,3779.53 v1(874.02,3897.64) ; v2(3283.46,3598.43) 3283.46,3748.03 3452.76,3917.32 3452.76,4116.91 3539.37,4203.53 J1.2@3836.07,4203.53
5.0V: C12.1 C20.2 C21.2 C52.2 C53.2 C84.2 C85.2 C116.2 C117.2 D10.2 D11.2 D14.2 D15.2 D18.2 D19.2 D22.2 D23.2 J3.1 R34.1 U7.3 U8.3 U11.7 U12.7 U15.7 U16.7 U19.7 U20.7 U23.7 U24.7 U28.1 | length 15412.6
  L1 w9.84: C20.2@720.47,500 735.24,514.76 U11.7@793.31,514.76 ; U24.7@1001.97,6414.37 1060.04,6414.37 C117.2@1074.8,6429.13 ; C52.2@1665.35,500 1680.12,514.76 U15.7@1738.19,514.76 ; U20.7@1946.85,6414.37 2004.92,6414.37 C85.2@2019.68,6429.13 ; C84.2@2610.24,500 2625,514.76 U19.7@2683.07,514.76 ; U16.7@2891.73,6414.37 2949.8,6414.37 C53.2@2964.57,6429.13 ; C116.2@3555.12,500 3569.88,514.76 U23.7@3627.95,514.76 ; U12.7@3836.61,6414.37 3894.68,6414.37 C21.2@3909.45,6429.13
  L1 w11.81: C20.2@720.47,500 720.47,492.13 740.16,492.13 v2(763.78,468.5) 791.34,440.94 D10.2@791.34,437.01 ; D23.2@1003.94,6492.13 1003.94,6488.19 v2(1031.5,6460.63) 1055.12,6437.01 1074.8,6437.01 C117.2@1074.8,6429.13 ; C52.2@1665.35,500 1665.35,492.13 1685.04,492.13 v2(1708.66,468.5) 1736.22,440.94 D14.2@1736.22,437.01 ; D19.2@1948.82,6492.13 1948.82,6488.19 v2(1976.38,6460.63) 2000,6437.01 2019.68,6437.01 C85.2@2019.68,6429.13 ; C84.2@2610.24,500 2610.24,492.13 2629.92,492.13 v2(2653.54,468.5) 2681.1,440.94 D18.2@2681.1,437.01 ; D15.2@2893.7,6492.13 2893.7,6488.19 v2(2921.26,6460.63) 2944.88,6437.01 2964.57,6437.01 C53.2@2964.57,6429.13 ; C116.2@3555.12,500 3555.12,492.13 3574.8,492.13 v2(3598.43,468.5) 3625.98,440.94 D22.2@3625.98,437.01 ; D11.2@3838.58,6492.13 3838.58,6488.19 v2(3866.14,6460.63) 3889.76,6437.01 3909.45,6437.01 C21.2@3909.45,6429.13
  L1 w19.68: U28.1@4362.2,2126.18 4362.2,2182.68 U7.3@4368.5,2188.98 ; U8.3@4378.35,2171.26 4378.35,2179.13 U7.3@4368.5,2188.98 ; 4228.35,2338.58 R34.1@4279.53,2338.58 ; 4228.35,2338.58 v2(4228.35,2354.33) 4287.4,2354.33 4279.53,2346.46 R34.1@4279.53,2338.58 ; 4228.35,2338.58 v2(4228.35,2322.83) R34.1@4279.53,2322.83 ; R34.1@4279.53,2322.83 4350.39,2322.83 C12.1@4342.52,2307.09 4368.5,2304.72 U7.3@4368.5,2188.98 ; R34.1@4279.53,2322.83 R34.1@4279.53,2338.58
  L2 w19.68: v2(4228.35,2354.33) 4299.21,2354.33 J3.1@4562.99,2618.11
  L3 w11.81: v2(4228.35,2322.83) 4228.35,2338.58 v2(4228.35,2354.33)
  L3 w19.68: v2(763.78,468.5) 801.19,505.91 1708.66,505.91 ; v2(1031.5,6460.63) 1033.65,6458.67 1071.06,6421.26 1976.38,6421.26 ; v2(1708.66,468.5) 1708.66,505.91 ; v2(1976.38,6460.63) 1976.38,6421.26 ; v2(2653.54,468.5) 2653.54,505.91 ; v2(2921.26,6460.63) 2921.26,6421.26 ; v2(3598.43,468.5) 3598.43,505.91 ; v2(3866.14,6460.63) 3866.14,6421.26 ; v2(4228.35,2322.83) 4090.55,2322.83 ; 4228.35,2338.58 4090.55,2338.58 ; v2(4228.35,2354.33) 4090.55,2354.33 ; 1708.66,505.91 2653.54,505.91 ; 1976.38,6421.26 2921.26,6421.26 ; 2653.54,505.91 3598.43,505.91 ; 2921.26,6421.26 3866.14,6421.26 ; 3598.43,505.91 4049.22,505.91 4090.55,547.24 4090.55,2322.83 ; 3866.14,6421.26 4051.18,6421.26 4090.55,6381.89 4090.55,2354.33 ; 4090.55,2322.83 4090.55,2338.58 ; 4090.55,2338.58 4090.55,2354.33